# Altium PCB Board.PcbDoc
Units mm, origin at the board's own origin, x right, y up, seen from the top; angles counter-clockwise.
Board outline 75.25 x 59.25 mm, 2 copper layers (Top Layer, Bottom Layer), stack 1.569 mm thick; 21 components, 26 nets, 338 pads, 23 vias.
Unrouted connection lines stored in the file: 7.
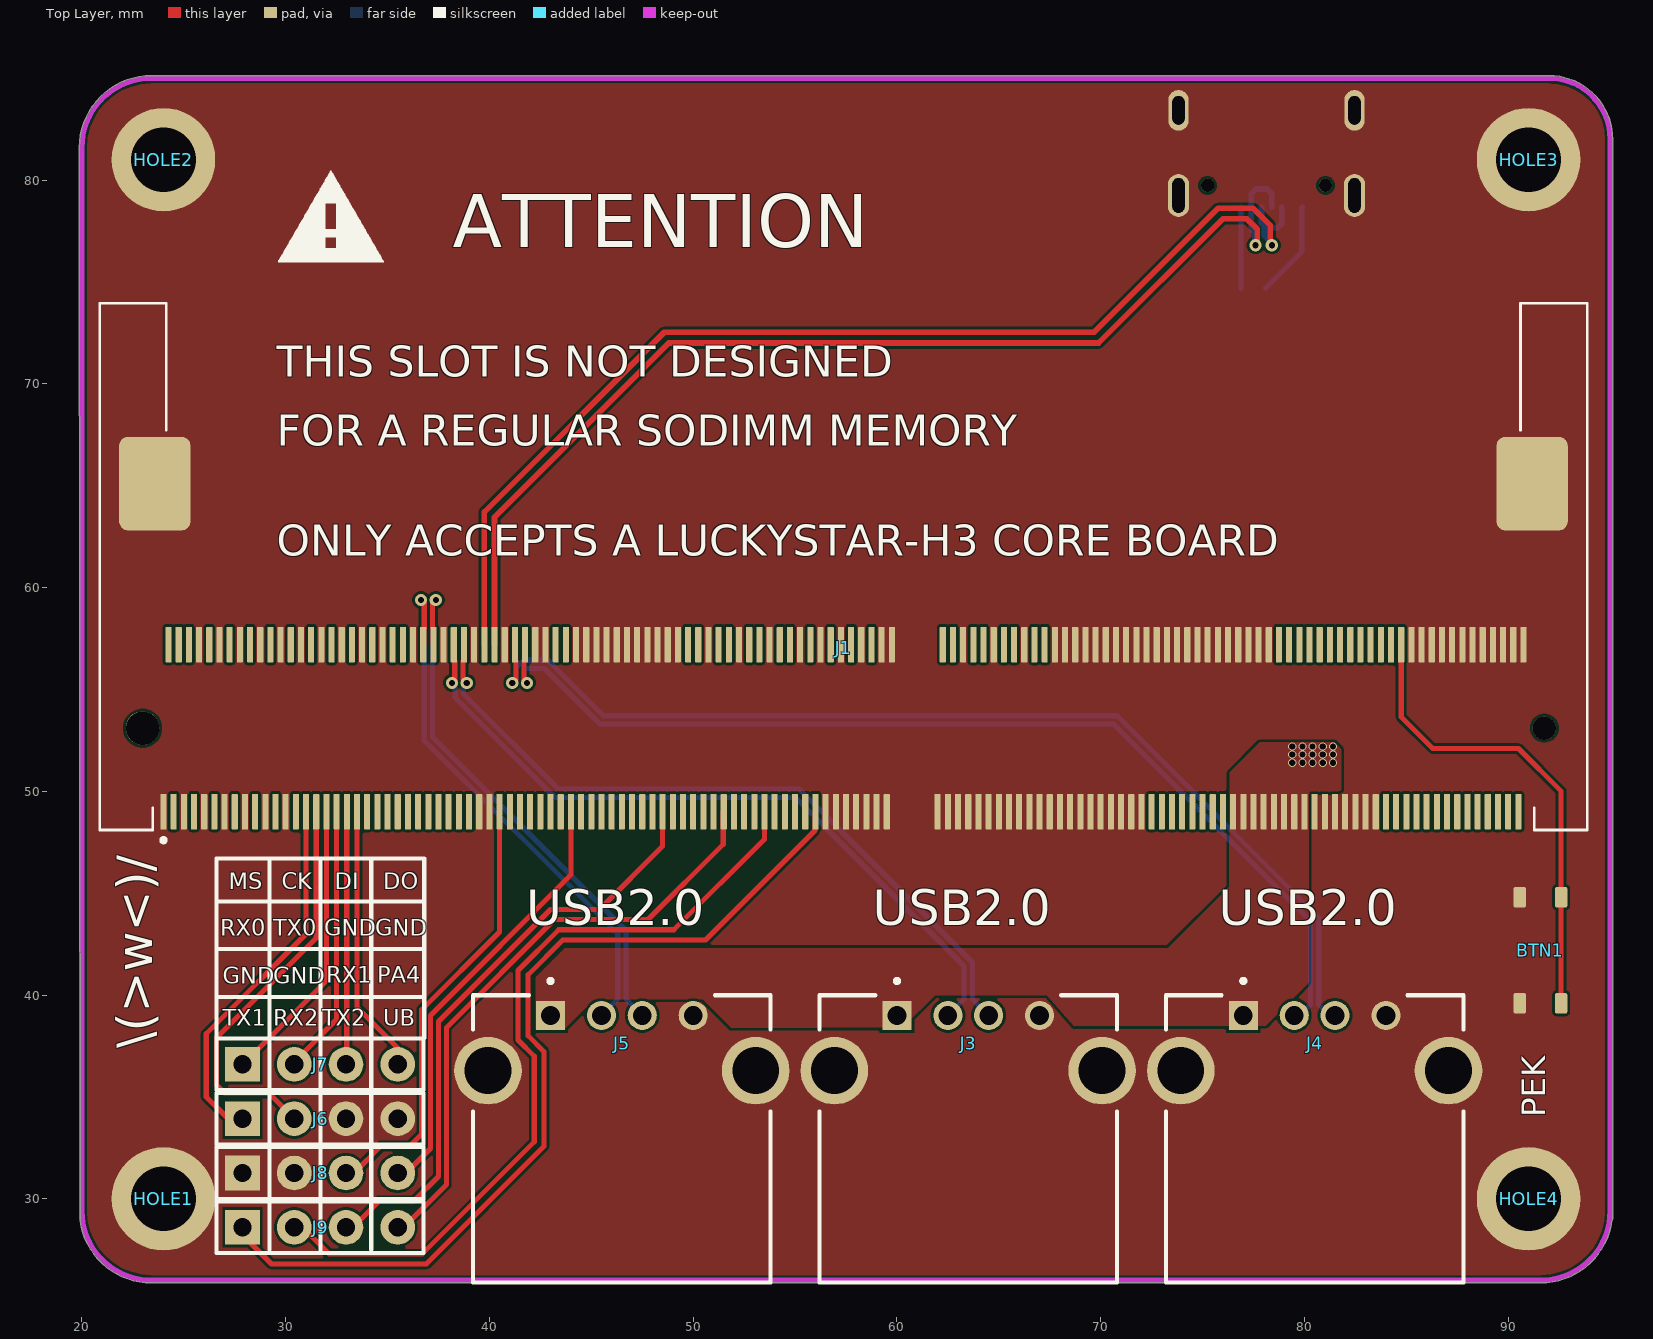
[diagram p0: Top Layer view]
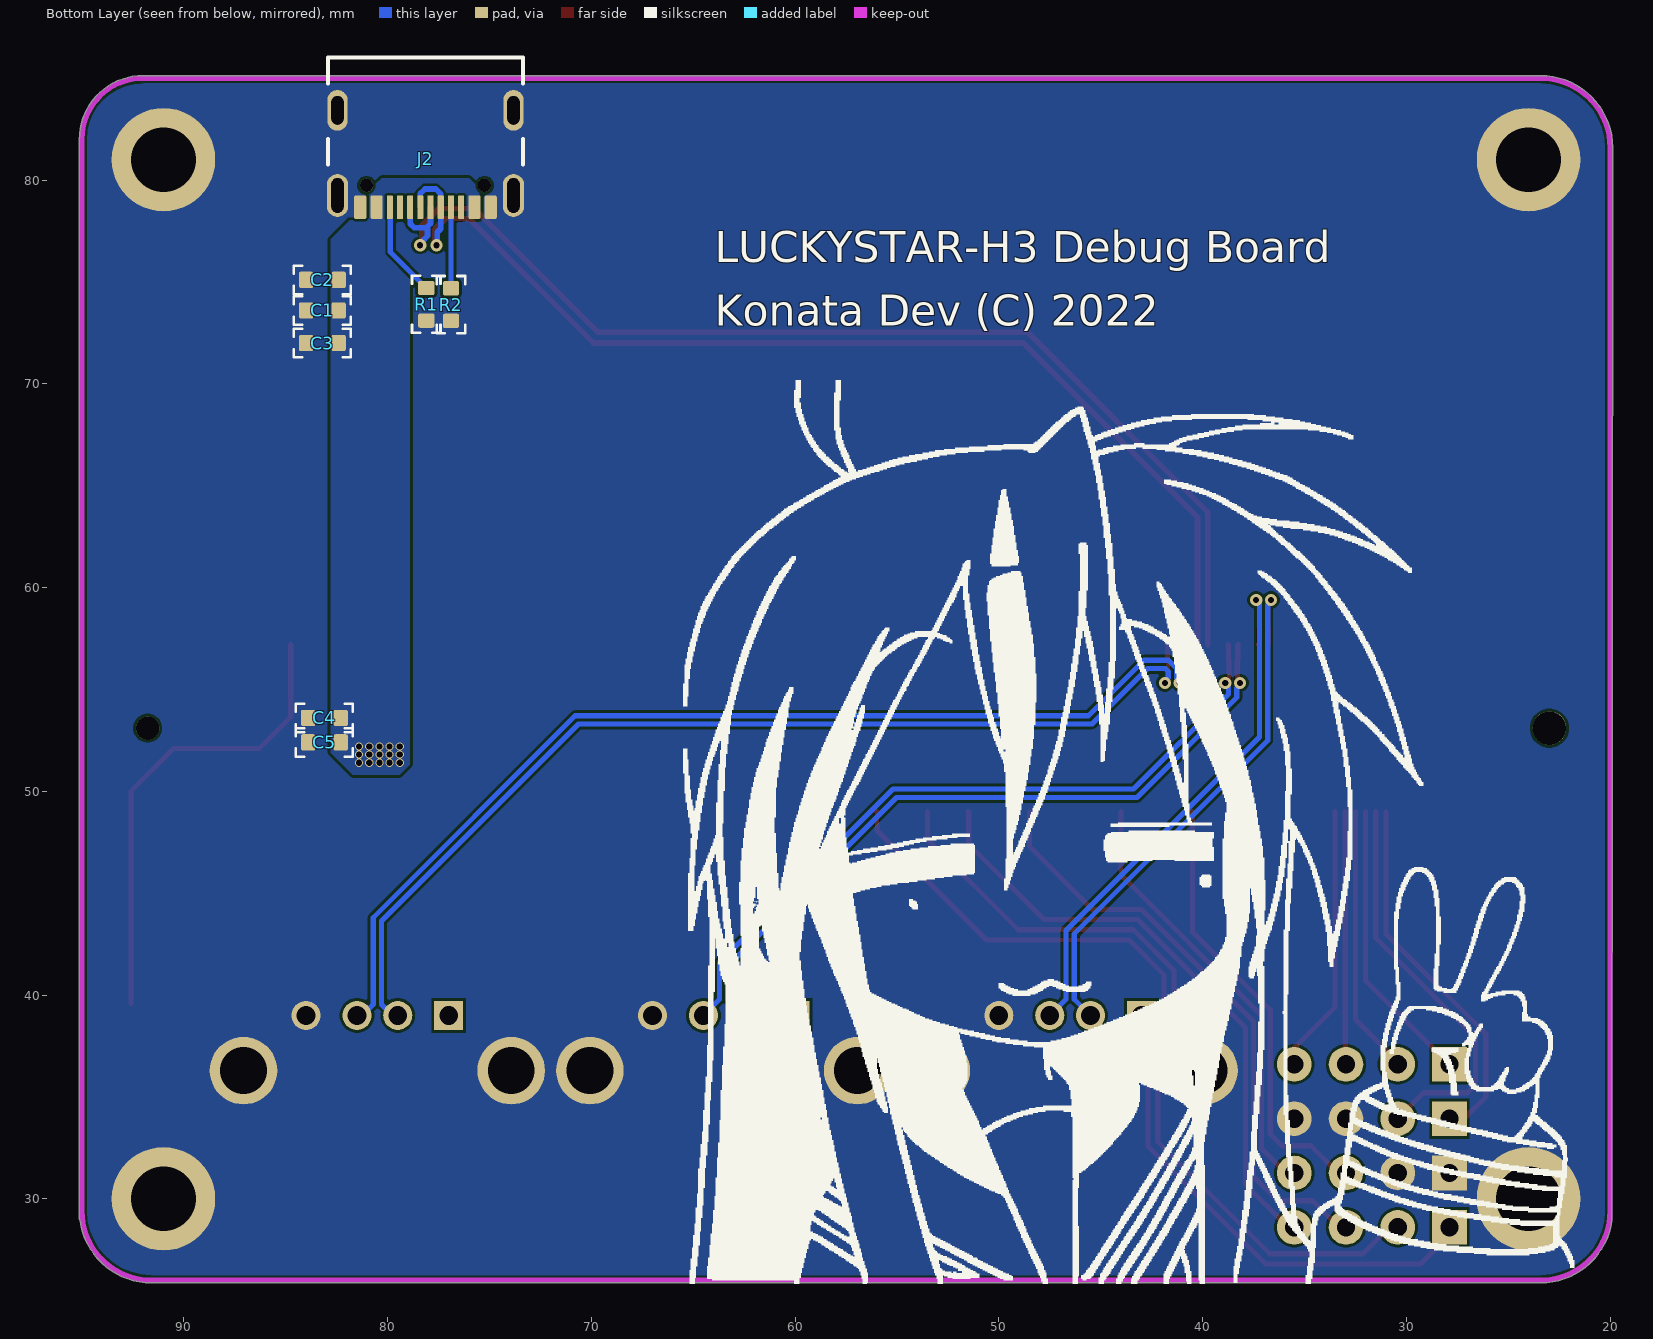
[diagram p1: Bottom Layer view, seen from below]

## Layer stack, top to bottom
Top Solder: solder mask 0.0254, SM-001, Dk 4
Top Layer: signal copper 0.035
Dielectric 1: core 1.4986, Core-043, Dk 4.3
Bottom Layer: signal copper 0.035
Bottom Solder: solder mask 0.0254, SM-001, Dk 4

## Board outline
19.908,28.911 19.873,81.586 cw(c23.414,81.586) 23.414,85.127 92,85.127 cw(c92,82) 95.127,82 95.127,29 95.092,28.911 cw(c91.586,29.414) 91.586,25.873 23.414,25.873 cw(c23.414,29.414)

## Design rules (kind name [scope] priority, off if disabled: settings)
Clearance [All] p1: gap=0.127 ignorepadtopadclearanceinfootprint=TRUE
DiffPairsRouting "Schematic Differential Pairs Routing" [InNet('USB0_N')] p1: maxlimit=0.254 minlimit=0.254 mostfreqgap=0.254 toplayer_minwidth=0.381 toplayer_maxwidth=0.381 toplayer_prefwidth=0.381 bottomlayer_minwidth=0.381 bottomlayer_maxwidth=0.381 bottomlayer_prefwidth=0.381 maxuncoupledlength=12.7
DiffPairsRouting [All] p2: maxlimit=0.254 minlimit=0.254 mostfreqgap=0.254 toplayer_minwidth=0.381 toplayer_maxwidth=0.381 toplayer_prefwidth=0.381 bottomlayer_minwidth=0.381 bottomlayer_maxwidth=0.381 bottomlayer_prefwidth=0.381 maxuncoupledlength=12.7
PolygonConnect [All] p1: connectstyle=Direct reliefconductorwidth=0.254 reliefentries=4 polygonreliefangle="90 Angle" airgapwidth=0.254
RoutingVias [All] p1: holewidth=0.711 width=1.27 viastyle="Through Hole" minholewidth=0.711 minwidth=1.27 maxholewidth=0.711 maxwidth=1.27
SolderMaskExpansion [All] p1: expansion=0.102 istentingtop=FALSE
Width [All] p1: maxlimit=1.27 minlimit=0.254 preferedwidth=0.254
29 further rules are at their usual default settings.

## Classes and differential pairs
component class 00_COREBOARD: J1
differential pair class USB3: USB3
differential pair class USB2: USB2
differential pair class USB1: USB1
differential pair class USB0: USB0
net class USB: USB0_N USB0_P USB1_N USB1_P USB2_N USB2_P USB3_N USB3_P
net class GPIO: JTAG_CK JTAG_DI JTAG_DO JTAG_MS PA4 UART0_RX UART0_TX UART1_RX UART1_TX UART2_RX UART2_TX UBOOT
differential pair USB3: +USB3_P -USB3_N
differential pair USB2: +USB2_P -USB2_N
differential pair USB1: +USB1_P -USB1_N
differential pair USB0: +USB0_P -USB0_N

## Components (designator, comment, footprint, x,y, rotation, side; value= is the part's Value field where it differs from the comment)
BTN1 "BTN" BTN 92.6,44.8 r270 top
C1 "10uF" C0603 84,73.6 r180 bottom
C2 "10uF" C0603 84,75.1 r180 bottom
C3 "1uF" C0603 84,72 r180 bottom
C4 "0.1uF" C0603 83.9,53.6 r180 bottom
C5 "0.1uF" C0603 83.9,52.4 r180 bottom
HOLE1 "LOADHOLE" LOADHOLE 24,30 r0 top
HOLE2 "LOADHOLE" LOADHOLE 24,81 r0 top
HOLE3 "LOADHOLE" LOADHOLE 91,81 r0 top
HOLE4 "LOADHOLE" LOADHOLE 91,30 r0 top
J1 "DDR4_SODIMM" DDR4_SODIMM 60.875,53.1 r0 top locked
J2 "USB" USB-4105-GF-A 74.94,78.622 r0 bottom locked
J3 "USB" USB-A-S-S-W-TH 63.5,36.29 r0 top locked
J4 "USB" USB-A-S-S-W-TH 80.5,36.29 r0 top locked
J5 "USB" USB-A-S-S-W-TH 46.5,36.29 r0 top locked
J6 "2.54mm" J_PIN4 27.88,33.933 r0 top
J7 "2.54mm" J_PIN4 27.88,36.6 r0 top
J8 "2.54mm" J_PIN4 27.88,31.267 r0 top
J9 "2.54mm" J_PIN4 27.88,28.6 r0 top
R1 "5.1K" R0603 78.1,74.7 r270 bottom
R2 "5.1K" R0603 76.89,74.69 r270 bottom

## Footprints (in the part's own frame and the unit in brackets; to place one, negate y for a bottom-side part, rotate by r counter-clockwise, add the part's x,y. Pads: shape width x height; smd on the part's side, far side on the other; paste and mask are expansions set on the pad)
BTN [mm]
  rrect25% 1x0.6 smd: 1(0,0) 1(5.207,0) 2(0,-2.032) 2(5.207,-2.032)
  body extent 0.25,-2.41 5.08,0.38, height 2.3
C0603 [mm]
  rrect25% 0.7x0.8 smd: 1(0,0) 2(1.6,0)
  silkscreen extent -0.6,-0.7 2.2,0.7, body extent 0,-0.41 1.6,0.41, height 0.81
DDR4_SODIMM [mm]
  rrect25% 0.3x1.75 smd: 1(-36.875,-4.1) 2(-36.625,4.1) 3(-36.375,-4.1) 4(-36.125,4.1) 5(-35.875,-4.1) 6(-35.625,4.1) 7(-35.375,-4.1) 8(-35.125,4.1) 9(-34.875,-4.1) 10(-34.625,4.1) 11(-34.375,-4.1) 12(-34.125,4.1) 13(-33.875,-4.1) 14(-33.625,4.1) 15(-33.375,-4.1) 16(-33.125,4.1) 17(-32.875,-4.1) 18(-32.625,4.1) 19(-32.375,-4.1) 20(-32.125,4.1) 21(-31.875,-4.1) 22(-31.625,4.1) 23(-31.375,-4.1) 24(-31.125,4.1) 25(-30.875,-4.1) 26(-30.625,4.1) 27(-30.375,-4.1) 28(-30.125,4.1) 29(-29.875,-4.1) 30(-29.625,4.1) 31(-29.375,-4.1) 32(-29.125,4.1) 33(-28.875,-4.1) 34(-28.625,4.1) 35(-28.375,-4.1) 36(-28.125,4.1) 37(-27.875,-4.1) 38(-27.625,4.1) 39(-27.375,-4.1) 40(-27.125,4.1) 41(-26.875,-4.1) 42(-26.625,4.1) 43(-26.375,-4.1) 44(-26.125,4.1) 45(-25.875,-4.1) 46(-25.625,4.1) 47(-25.375,-4.1) 48(-25.125,4.1) 49(-24.875,-4.1) 50(-24.625,4.1) 51(-24.375,-4.1) 52(-24.125,4.1) 53(-23.875,-4.1) 54(-23.625,4.1) 55(-23.375,-4.1) 56(-23.125,4.1) 57(-22.875,-4.1) 58(-22.625,4.1) 59(-22.375,-4.1) 60(-22.125,4.1) 61(-21.875,-4.1) 62(-21.625,4.1) 63(-21.375,-4.1) 64(-21.125,4.1) 65(-20.875,-4.1) 66(-20.625,4.1) 67(-20.375,-4.1) 68(-20.125,4.1) 69(-19.875,-4.1) 70(-19.625,4.1) 71(-19.375,-4.1) 72(-19.125,4.1) 73(-18.875,-4.1) 74(-18.625,4.1) 75(-18.375,-4.1) 76(-18.125,4.1) 77(-17.875,-4.1) 78(-17.625,4.1) 79(-17.375,-4.1) 80(-17.125,4.1) 81(-16.875,-4.1) 82(-16.625,4.1) 83(-16.375,-4.1) 84(-16.125,4.1) 85(-15.875,-4.1) 86(-15.625,4.1) 87(-15.375,-4.1) 88(-15.125,4.1) 89(-14.875,-4.1) 90(-14.625,4.1) 91(-14.375,-4.1) 92(-14.125,4.1) 93(-13.875,-4.1) 94(-13.625,4.1) 95(-13.375,-4.1) 96(-13.125,4.1) 97(-12.875,-4.1) 98(-12.625,4.1) 99(-12.375,-4.1) 100(-12.125,4.1) 101(-11.875,-4.1) 102(-11.625,4.1) 103(-11.375,-4.1) 104(-11.125,4.1) 105(-10.875,-4.1) 106(-10.625,4.1) 107(-10.375,-4.1) 108(-10.125,4.1) 109(-9.875,-4.1) 110(-9.625,4.1) 111(-9.375,-4.1) 112(-9.125,4.1) 113(-8.875,-4.1) 114(-8.625,4.1) 115(-8.375,-4.1) 116(-8.125,4.1) 117(-7.875,-4.1) 118(-7.625,4.1) 119(-7.375,-4.1) 120(-7.125,4.1) 121(-6.875,-4.1) 122(-6.625,4.1) 123(-6.375,-4.1) 124(-6.125,4.1) 125(-5.875,-4.1) 126(-5.625,4.1) 127(-5.375,-4.1) 128(-5.125,4.1) 129(-4.875,-4.1) 130(-4.625,4.1) 131(-4.375,-4.1) 132(-4.125,4.1) 133(-3.875,-4.1) 134(-3.625,4.1) 135(-3.375,-4.1) 136(-3.125,4.1) 137(-2.875,-4.1) 138(-2.625,4.1) 139(-2.375,-4.1) 140(-2.125,4.1) 141(-1.875,-4.1) 142(-1.625,4.1) 143(-1.375,-4.1) 144(-1.125,4.1) 145(1.125,-4.1) 146(1.375,4.1) 147(1.625,-4.1) 148(1.875,4.1) 149(2.125,-4.1) 150(2.375,4.1) 151(2.625,-4.1) 152(2.875,4.1) 153(3.125,-4.1) 154(3.375,4.1) 155(3.625,-4.1) 156(3.875,4.1) 157(4.125,-4.1) 158(4.375,4.1) 159(4.625,-4.1) 160(4.875,4.1) 161(5.125,-4.1) 162(5.375,4.1) 163(5.625,-4.1) 164(5.875,4.1) 165(6.125,-4.1) 166(6.375,4.1) 167(6.625,-4.1) 168(6.875,4.1) 169(7.125,-4.1) 170(7.375,4.1) 171(7.625,-4.1) 172(7.875,4.1) 173(8.125,-4.1) 174(8.375,4.1) 175(8.625,-4.1) 176(8.875,4.1) 177(9.125,-4.1) 178(9.375,4.1) 179(9.625,-4.1) 180(9.875,4.1) 181(10.125,-4.1) 182(10.375,4.1) 183(10.625,-4.1) 184(10.875,4.1) 185(11.125,-4.1) 186(11.375,4.1) 187(11.625,-4.1) 188(11.875,4.1) 189(12.125,-4.1) 190(12.375,4.1) 191(12.625,-4.1) 192(12.875,4.1) 193(13.125,-4.1) 194(13.375,4.1) 195(13.625,-4.1) 196(13.875,4.1) 197(14.125,-4.1) 198(14.375,4.1) 199(14.625,-4.1) 200(14.875,4.1) 201(15.125,-4.1) 202(15.375,4.1) 203(15.625,-4.1) 204(15.875,4.1) 205(16.125,-4.1) 206(16.375,4.1) 207(16.625,-4.1) 208(16.875,4.1) 209(17.125,-4.1) 210(17.375,4.1) 211(17.625,-4.1) 212(17.875,4.1) 213(18.125,-4.1) 214(18.375,4.1) 215(18.625,-4.1) 216(18.875,4.1) 217(19.125,-4.1) 218(19.375,4.1) 219(19.625,-4.1) 220(19.875,4.1) 221(20.125,-4.1) 222(20.375,4.1) 223(20.625,-4.1) 224(20.875,4.1) 225(21.125,-4.1) 226(21.375,4.1) 227(21.625,-4.1) 228(21.875,4.1) 229(22.125,-4.1) 230(22.375,4.1) 231(22.625,-4.1) 232(22.875,4.1) 233(23.125,-4.1) 234(23.375,4.1) 235(23.625,-4.1) 236(23.875,4.1) 237(24.125,-4.1) 238(24.375,4.1) 239(24.625,-4.1) 240(24.875,4.1) 241(25.125,-4.1) 242(25.375,4.1) 243(25.625,-4.1) 244(25.875,4.1) 245(26.125,-4.1) 246(26.375,4.1) 247(26.625,-4.1) 248(26.875,4.1) 249(27.125,-4.1) 250(27.375,4.1) 251(27.625,-4.1) 252(27.875,4.1) 253(28.125,-4.1) 254(28.375,4.1) 255(28.625,-4.1) 256(28.875,4.1) 257(29.125,-4.1) 258(29.375,4.1) 259(29.625,-4.1) 260(29.875,4.1)
  round 1.65 hole 1.65 unplated: ""(-37.9,0)
  rrect25% 3.5x4.6 smd: ""(-37.3,12) ""(30.3,12)
  round 1.15 hole 1.15 unplated: ""(30.9,0)
  silkscreen extent -40,-5.6 33,20.85, body extent -39.93,-4.89 33.07,29.46, height 4.81
J_PIN4 [mm]
  rect 1.7x1.7 hole 0.9: 1(0,0)
  round 1.7 hole 0.9: 2(2.54,0) 3(5.08,0) 4(7.62,0)
  silkscreen extent -1.27,-1.27 8.89,1.27, body extent -1.27,-1.27 8.89,1.27, height 8.5
LOADHOLE [mm]
  round 5.08 hole 3.175: 1(0,0)
  body extent -2.7,-2.35 2.7,2.35, height 10.05
R0603 [mm]
  rrect25% 0.7x0.8 smd: 1(0,0) 2(1.6,0)
  silkscreen extent -0.6,-0.7 2.2,0.7, body extent 0,-0.4 1.6,0.4, height 0.4
USB-4105-GF-A [mm]
  rrect25% 0.6x1.15 smd: 1(0.8,-0.045) 1(5.6,-0.045) 4(0,-0.045) 4(6.4,-0.045)
  rrect25% 0.3x1.15 smd: 2(2.45,-0.045) 2(3.45,-0.045) 3(2.95,-0.045) 3(3.95,-0.045) 5(1.95,-0.045) 6(4.95,-0.045) ""(1.45,-0.045) ""(4.45,-0.045)
  oval 1x2 hole 0.6 slot 1.4 at 90 deg: 4(-1.12,-4.8) 4(7.52,-4.8)
  oval 1.05x2.1 hole 0.6 slot 1.7 at 90 deg: 4(-1.12,-0.62) 4(7.52,-0.62)
  round 0.65 hole 0.65 unplated: ""(0.31,-1.12) ""(6.09,-1.12)
  silkscreen extent -1.59,-7.4 7.99,-2.15, body extent -1.59,-7.4 7.99,0.31, height 3.31
USB-A-S-S-W-TH [mm]
  rect 1.428x1.428 hole 0.92: 1(-3.5,2.71)
  round 1.428 hole 0.92: 2(-1,2.71) 3(1,2.71) 4(3.5,2.71)
  round 3.316 hole 2.3: 4(-6.57,0) 4(6.57,0)
  silkscreen extent -7.3,-10.4 7.3,4.5, body extent -7.87,-10.35 7.87,3.75, height 7.47

## Part data
C1 C2: library part C_10UF
C3: library part C_1UF
C4 C5: library part C_0.1UF
J6 J7 J8 J9: library part J_PIN4
R1 R2: library part R_5.1K

## Via types
v1: diameter 0.4, hole 0.3, Top Layer to Bottom Layer, tented both sides, 15 vias
v2: diameter 0.6, hole 0.3, Top Layer to Bottom Layer, tented both sides, 8 vias

## Nets (pads, with @x,y where several pads share a name; then routed paths per layer and width w, separated by ;. In a path a pad name is that pad's centre, name@x,y a point inside that pad or via, vN(x,y) a via of type N, cw(c..) or ccw(c..) an arc to the next point about the centre after c; other vN are vias at no path point)
GND: BTN1.2 C1.1 C2.1 C3.1 C4.1 C5.1 HOLE1.1 HOLE2.1 HOLE3.1 HOLE4.1 J1.1 J1.5 J1.8 J1.9 J1.12 J1.13 J1.16 J1.17 J1.20 J1.21 J1.24 J1.25 J1.28 J1.32 J1.36 J1.40 J1.44 J1.50 J1.56 J1.62 J1.63 J1.65 J1.68 J1.74 J1.76 J1.82 J1.84 J1.86 J1.88 J1.90 J1.92 J1.94 J1.96 J1.98 J1.100 J1.102 J1.108 J1.114 J1.120 J1.126 J1.130 J1.131 J1.133 J1.134 J1.135 J1.137 J1.138 J1.139 J1.141 J1.142 J1.143 J1.144 J1.145 J1.147 J1.149 J1.150 J1.151 J1.153 J1.155 J1.156 J1.157 J1.159 J1.161 J1.162 J1.163 J1.165 J1.167 J1.168 J1.169 J1.170 J1.171 J1.172 J1.173 J1.174 J1.175 J1.176 J1.177 J1.178 J1.179 J1.180 J1.181 J1.182 J1.183 J1.184 J1.185 J1.186 J1.188 J1.190 J1.192 J1.194 J1.196 J1.198 J1.200 J1.202 J1.204 J1.206 J1.208 J1.210 J1.219 J1.221 J1.223 J1.225 J1.227 J1.229 J1.231 J1.238 J1.240 J1.242 J1.244 J1.246 J1.248 J1.250 J1.252 J1.254 J1.256 J1.258 J1.260 J1.@23.575,65.1 J1.@91.175,65.1 J2.4 J3.4 J4.4 J5.4 J6.3 J6.4 J8.1 J8.2 R1.2 R2.2
JTAG_CK: J1.35 J7.2 | length 13
  Top Layer w0.254: J7.2@30.5,36.8 32.5,38.8 J1.35
JTAG_DI: J1.37 J7.3 | length 12.4
  Top Layer w0.254: J7.3@33,36.6 J1.37
JTAG_DO: J1.39 J7.4 | length 13.2
  Top Layer w0.254: J1.39 33.5,39.4 35.5,37.4 J7.4
JTAG_MS: J1.33 J7.1 | length 14.1
  Top Layer w0.254: J7.1@27.89,36.59 32,40.7 32,45.18 J1.33
NetJ2_5: J2.5 R2.1 | length 4
  Bottom Layer w0.254: R2.1 J2.5
NetJ2_6: J2.6 R1.1 | length 4.7
  Bottom Layer w0.254: R1.1 79.867,76.467 79.867,78.644 J2.6
PA4: J1.81 J8.4 | length 21.1
  Top Layer w0.254: J8.4@35.9,31.267 37.1,32.467 37.1,39 44,45.9 J1.81
PWR_KEY: BTN1.1 J1.236 | length 23.3
  Top Layer w0.254: J1.236 84.75,53.65 86.3,52.1 90.5,52.1 92.6,50 92.6,44.8 BTN1.1@92.6,39.593
UART0_RX: J1.29 J6.1 | length 18.3
  Top Layer w0.254: J6.1 27.167,33.933 26.1,35 26.1,38.1 31,43 J1.29
UART0_TX: J1.31 J6.2 | length 19.9
  Top Layer w0.254: J6.2 29.153,35.2 27,35.2 26.6,35.6 26.6,37.9 31.5,42.8 J1.31
UART1_RX: J1.67 J8.3 | length 21.5
  Top Layer w0.254: J8.3@33.36,31.267 34.693,32.6 36.1,32.6 36.681,33.181 36.681,39.281 40.5,43.1 J1.67
UART1_TX: J1.129 J9.1 | length 44.5
  Top Layer w0.254: J9.1@28.1,28.3 28.1,28 29.3,26.8 36.9,26.8 42.681,32.581 42.681,37.219 41.9,38 41.9,41 43.6,42.7 50.6,42.7 55.977,48.077 55.977,48.977 J1.129
UART2_RX: J1.119 J9.2 | length 39
  Top Layer w0.254: J9.2@30.82,28.6 32.12,27.3 36.7,27.3 42.2,32.8 42.2,37 41.4,37.8 41.4,41.2 43.4,43.2 49.05,43.2 53.5,47.65 J1.119
UART2_TX: J1.99 J9.3 | length 28.9
  Top Layer w0.254: J9.3@33.4,28.9 33.6,28.9 34.6,29.9 36.3,29.9 37.5,31.1 37.5,38.7 43,44.2 45.4,44.2 48.5,47.3 J1.99
UBOOT: J1.111 J9.4 | length 29.9
  Top Layer w0.254: J9.4 35.781,28.881 36.081,28.881 37.9,30.7 37.9,38.4 43.2,43.7 47.777,43.7 51.477,47.4 51.477,48.977 J1.111
USB0_N: J1.66 J2.2 | length 55.3
  Top Layer w0.28: J1.66 40.25,63.45 48.8,72 69.9,72 76,78.1 77.173,78.1 77.682,77.591 77.682,77.037 77.642,76.997 77.642,76.842 v2(77.6,76.8)
  Bottom Layer w0.28: v2(77.6,76.8) 77.558,76.842 77.558,77.442 77.39,77.61 77.39,78.667 77.39,79.319 77.63,79.559 78.166,79.559 78.39,79.336 J2.2@78.39,78.667
USB0_P: J1.64 J2.3 | length 56.2
  Top Layer w0.28: J1.64 39.75,63.705 48.579,72.534 69.679,72.534 75.763,78.618 77.48,78.618 78.317,77.781 78.317,77.037 78.358,76.997 78.358,76.842 v2(78.4,76.8)
  Bottom Layer w0.28: J2.3@77.89,78.667 77.89,77.866 78.092,77.663 ; v2@78.3,77 78.04,77.26 78.04,77.663 78.092,77.663 ; J2.3@78.89,78.667 78.89,77.856 78.697,77.663 78.092,77.663
USB1_N: J1.72 J4.2 | length 51.5
  Top Layer w0.254: J1.72 41.727,57.177 41.727,56.406 41.703,56.382 41.703,55.465 v2(41.847,55.321)
  Bottom Layer w0.254: v2(41.847,55.321) 41.847,55.415 41.686,55.576 41.686,55.875 41.835,56.024 42.705,56.024 45.428,53.3 70.625,53.3 80.297,43.628 80.297,39.541 79.755,39 J4.2
USB1_P: J1.70 J4.3 | length 52.9
  Top Layer w0.254: v2(41.119,55.321) 41.293,55.496 41.293,55.55 41.297,55.554 41.297,56.382 41.273,56.406 41.273,57.177 J1.70
  Bottom Layer w0.254: v2(41.119,55.321) 41.119,55.415 41.28,55.576 41.28,56.043 41.667,56.43 42.873,56.43 45.597,53.706 70.794,53.706 80.703,43.797 80.703,39.541 81.245,39 J4.3
USB2_N: J1.58 J3.2 | length 35.9
  Top Layer w0.254: v2(38.157,55.32) 38.297,55.46 38.297,56.382 38.273,56.406 38.273,57.177 J1.58
  Bottom Layer w0.254: v2(38.157,55.32) 38.157,55.226 38.318,55.065 38.318,54.599 43.217,49.7 55.025,49.7 63.297,41.428 63.297,39.797 J3.2
USB2_P: J1.60 J3.3 | length 36
  Top Layer w0.254: J1.60 38.727,57.177 38.727,56.406 38.703,56.382 38.703,55.557 38.711,55.549 38.711,55.496 v2(38.886,55.321)
  Bottom Layer w0.254: v2(38.886,55.321) 38.886,55.227 38.724,55.066 38.724,54.767 43.385,50.106 55.194,50.106 63.703,41.597 63.703,39.797 J3.3
USB3_N: J1.52 J5.2 | length 27
  Top Layer w0.254: v2(36.641,59.389) 36.797,59.234 36.797,58.018 36.773,57.994 36.773,57.223 J1.52
  Bottom Layer w0.254: v2(36.641,59.389) 36.641,59.296 36.802,59.134 36.802,52.498 46.297,43.003 46.297,39.797 J5.2
USB3_P: J1.54 J5.3 | length 27
  Top Layer w0.254: J1.54 37.227,57.223 37.227,57.994 37.203,58.018 37.203,59.224 v2(37.37,59.39)
  Bottom Layer w0.254: v2(37.37,59.39) 37.37,59.297 37.209,59.136 37.209,52.666 46.703,43.172 46.703,39.797 J5.3
VCC-5V: C1.2 C2.2 C3.2 C4.2 C5.2 J1.203 J1.205 J1.207 J1.209 J1.211 J1.213 J1.215 J1.217 J2.1 J3.1 J4.1 J5.1
  other v1: 79.4,51.4 79.9,51.4 80.4,51.4 80.9,51.4 81.4,51.4 79.4,51.8 79.9,51.8 80.4,51.8 80.9,51.8 81.4,51.8 79.4,52.2 79.9,52.2 80.4,52.2 80.9,52.2 81.4,52.2
VCC-BAT: J1.187 J1.189 J1.191 J1.193 J1.195 J1.197 J1.199 J1.201
pads on no net: J1.2 J1.3 J1.4 J1.6 J1.7 J1.10 J1.11 J1.14 J1.15 J1.18 J1.19 J1.22 J1.23 J1.26 J1.27 J1.30 J1.34 J1.38 J1.41 J1.42 J1.43 J1.45 J1.46 J1.47 J1.48 J1.49 J1.51 J1.53 J1.55 J1.57 J1.59 J1.61 J1.69 J1.71 J1.73 J1.75 J1.77 J1.78 J1.79 J1.80 J1.83 J1.85 J1.87 J1.89 J1.91 J1.93 J1.95 J1.97 J1.101 J1.103 J1.104 J1.105 J1.106 J1.107 J1.109 J1.110 J1.112 J1.113 J1.115 J1.116 J1.117 J1.118 J1.121 J1.122 J1.123 J1.124 J1.125 J1.127 J1.128 J1.132 J1.136 J1.140 J1.146 J1.148 J1.152 J1.154 J1.158 J1.160 J1.164 J1.166 J1.212 J1.214 J1.216 J1.218 J1.220 J1.222 J1.224 J1.226 J1.228 J1.230 J1.232 J1.233 J1.234 J1.235 J1.237 J1.239 J1.241 J1.243 J1.245 J1.247 J1.249 J1.251 J1.253 J1.255 J1.257 J1.259 J1.@22.975,53.1 J1.@91.775,53.1 J2.

## Polygon pours and split planes (outlines as drawn)
GND on Bottom Layer "GND_L02_P006" (solid, remove dead copper, pour order 6): 19.908,28.911 19.873,81.586 cw(c23.414,81.586) 23.414,85.127 92,85.127 cw(c92,82) 95.127,82 95.127,29 95.092,28.911 cw(c91.586,29.414) 91.586,25.873 23.414,25.873 cw(c23.414,29.414)
VCC-5V on Bottom Layer "VCC-5V_L02_P005" (solid, pour order 5): 75.499,79.585 76.001,80.086 80.298,80.086 80.899,79.485 80.899,78.185 75.499,78.185
VCC-5V on Bottom Layer "VCC-5V_L02_P000" (solid, pour order 0): 80.8,79.1 82.8,77.1 82.8,51.9 81.7,50.8 79.4,50.8 78.9,51.3 78.9,79.1
GND on Top Layer "GND_L01_P009" (solid, remove dead copper, pour order 9): 19.908,28.911 19.873,81.586 cw(c23.414,81.586) 23.414,85.127 92,85.127 cw(c92,82) 95.127,82 95.127,29 95.092,28.911 cw(c91.586,29.414) 91.586,25.873 23.414,25.873 cw(c23.414,29.414)
VCC-5V on Top Layer "VCC-5V_L01_P007" (solid, pour order 7): 43.659,38.3 45.159,39.8 50.462,39.8 51.883,38.379 60.288,38.419 61.869,40 67.364,40 68.706,38.458 78.102,38.502 80.2,40.6 80.2,48.2 78.7,49.7 76.323,49.7 76.318,45.318 73.3,42.3 43.7,42.3 42.279,40.879 42.279,38.3
VCC-5V on Top Layer "VCC-5V_L01_P001" (solid, pour order 1): 81.469,52.4 81.797,52.072 81.8,49.8 80.162,48.162 76.323,48.162 76.323,50.923 77.8,52.4

## Keep-outs
Keep-Out Layer:
  lines w0.254: 20,29 20,81.586 cw(c23.414,81.586) 23.414,85 92,85 cw(c92,82) 95,82 95,29 ; 20,29.414 ccw(c23.414,29.414) 23.414,26 91.586,26 ccw(c91.586,29.414) 95,29.414

## Silkscreen, mask and mechanical layers (free items; w line width, h text height)
Top Overlay:
  drawing of 10 lines, arcs and shapes, not listed
  text "ATTENTION" at 38.2,76.7 h2.6
  text "THIS SLOT IS NOT DESIGNED" at 29.554,70.354 h1.52
  text "FOR A REGULAR SODIMM MEMORY" at 29.554,66.954 h1.52
  text "ONLY ACCEPTS A LUCKYSTAR-H3 CORE BOARD" at 29.554,61.554 h1.52
  text "MS" at 27.2,45.2 h0.8
  text "CK" at 29.8,45.2 h0.8
  text "DI" at 32.4,45.2 h0.8
  text "DO" at 34.8,45.2 h0.8
  text "RX0" at 26.8,42.9 h0.8
  text "TX0" at 29.4,42.9 h0.8
  text "GND" at 31.9,42.9 h0.8
  text "GND" at 34.4,42.9 h0.8
  text "USB2.0" at 41.803,42.836 h3
  text "USB2.0" at 58.803,42.836 h3
  text "USB2.0" at 75.803,42.836 h3
  text "RX1" at 32,40.6 h0.8
  text "PA4" at 34.5,40.6 h0.8
  text "GND" at 26.9,40.55 h0.8
  text "GND" at 29.4,40.55 h0.8
  text "TX1" at 26.9,38.5 h0.8
  text "RX2" at 29.4,38.5 h0.8
  text "TX2" at 31.8,38.5 h0.8
  text "UB" at 34.8,38.5 h0.8
  text "\(>w<)/" at 24.034,37.397 h3 r90
  text "PEK" at 92.2,34 h2 r90
Bottom Overlay:
  drawing of 7 lines, arcs and shapes, not listed
  text "LUCKYSTAR-H3 Debug Board" at 63.946,75.962 h1.52
  text "Konata Dev (C) 2022" at 63.946,72.854 h1.52